# Altium PCB ZYNQ7010_AD9363.PcbDoc (part 5 of 6)
Units mil, origin at the board's own origin, x right, y up, seen from the top; angles counter-clockwise.
Board outline 2907.03 x 3814.03 mil, 4 copper layers (Top Layer, Mid-Layer 1, Mid-Layer 2, Bottom Layer); 298 components, 279 nets, 1517 pads, 915 vias.
Unrouted connection lines stored in the file: 236.
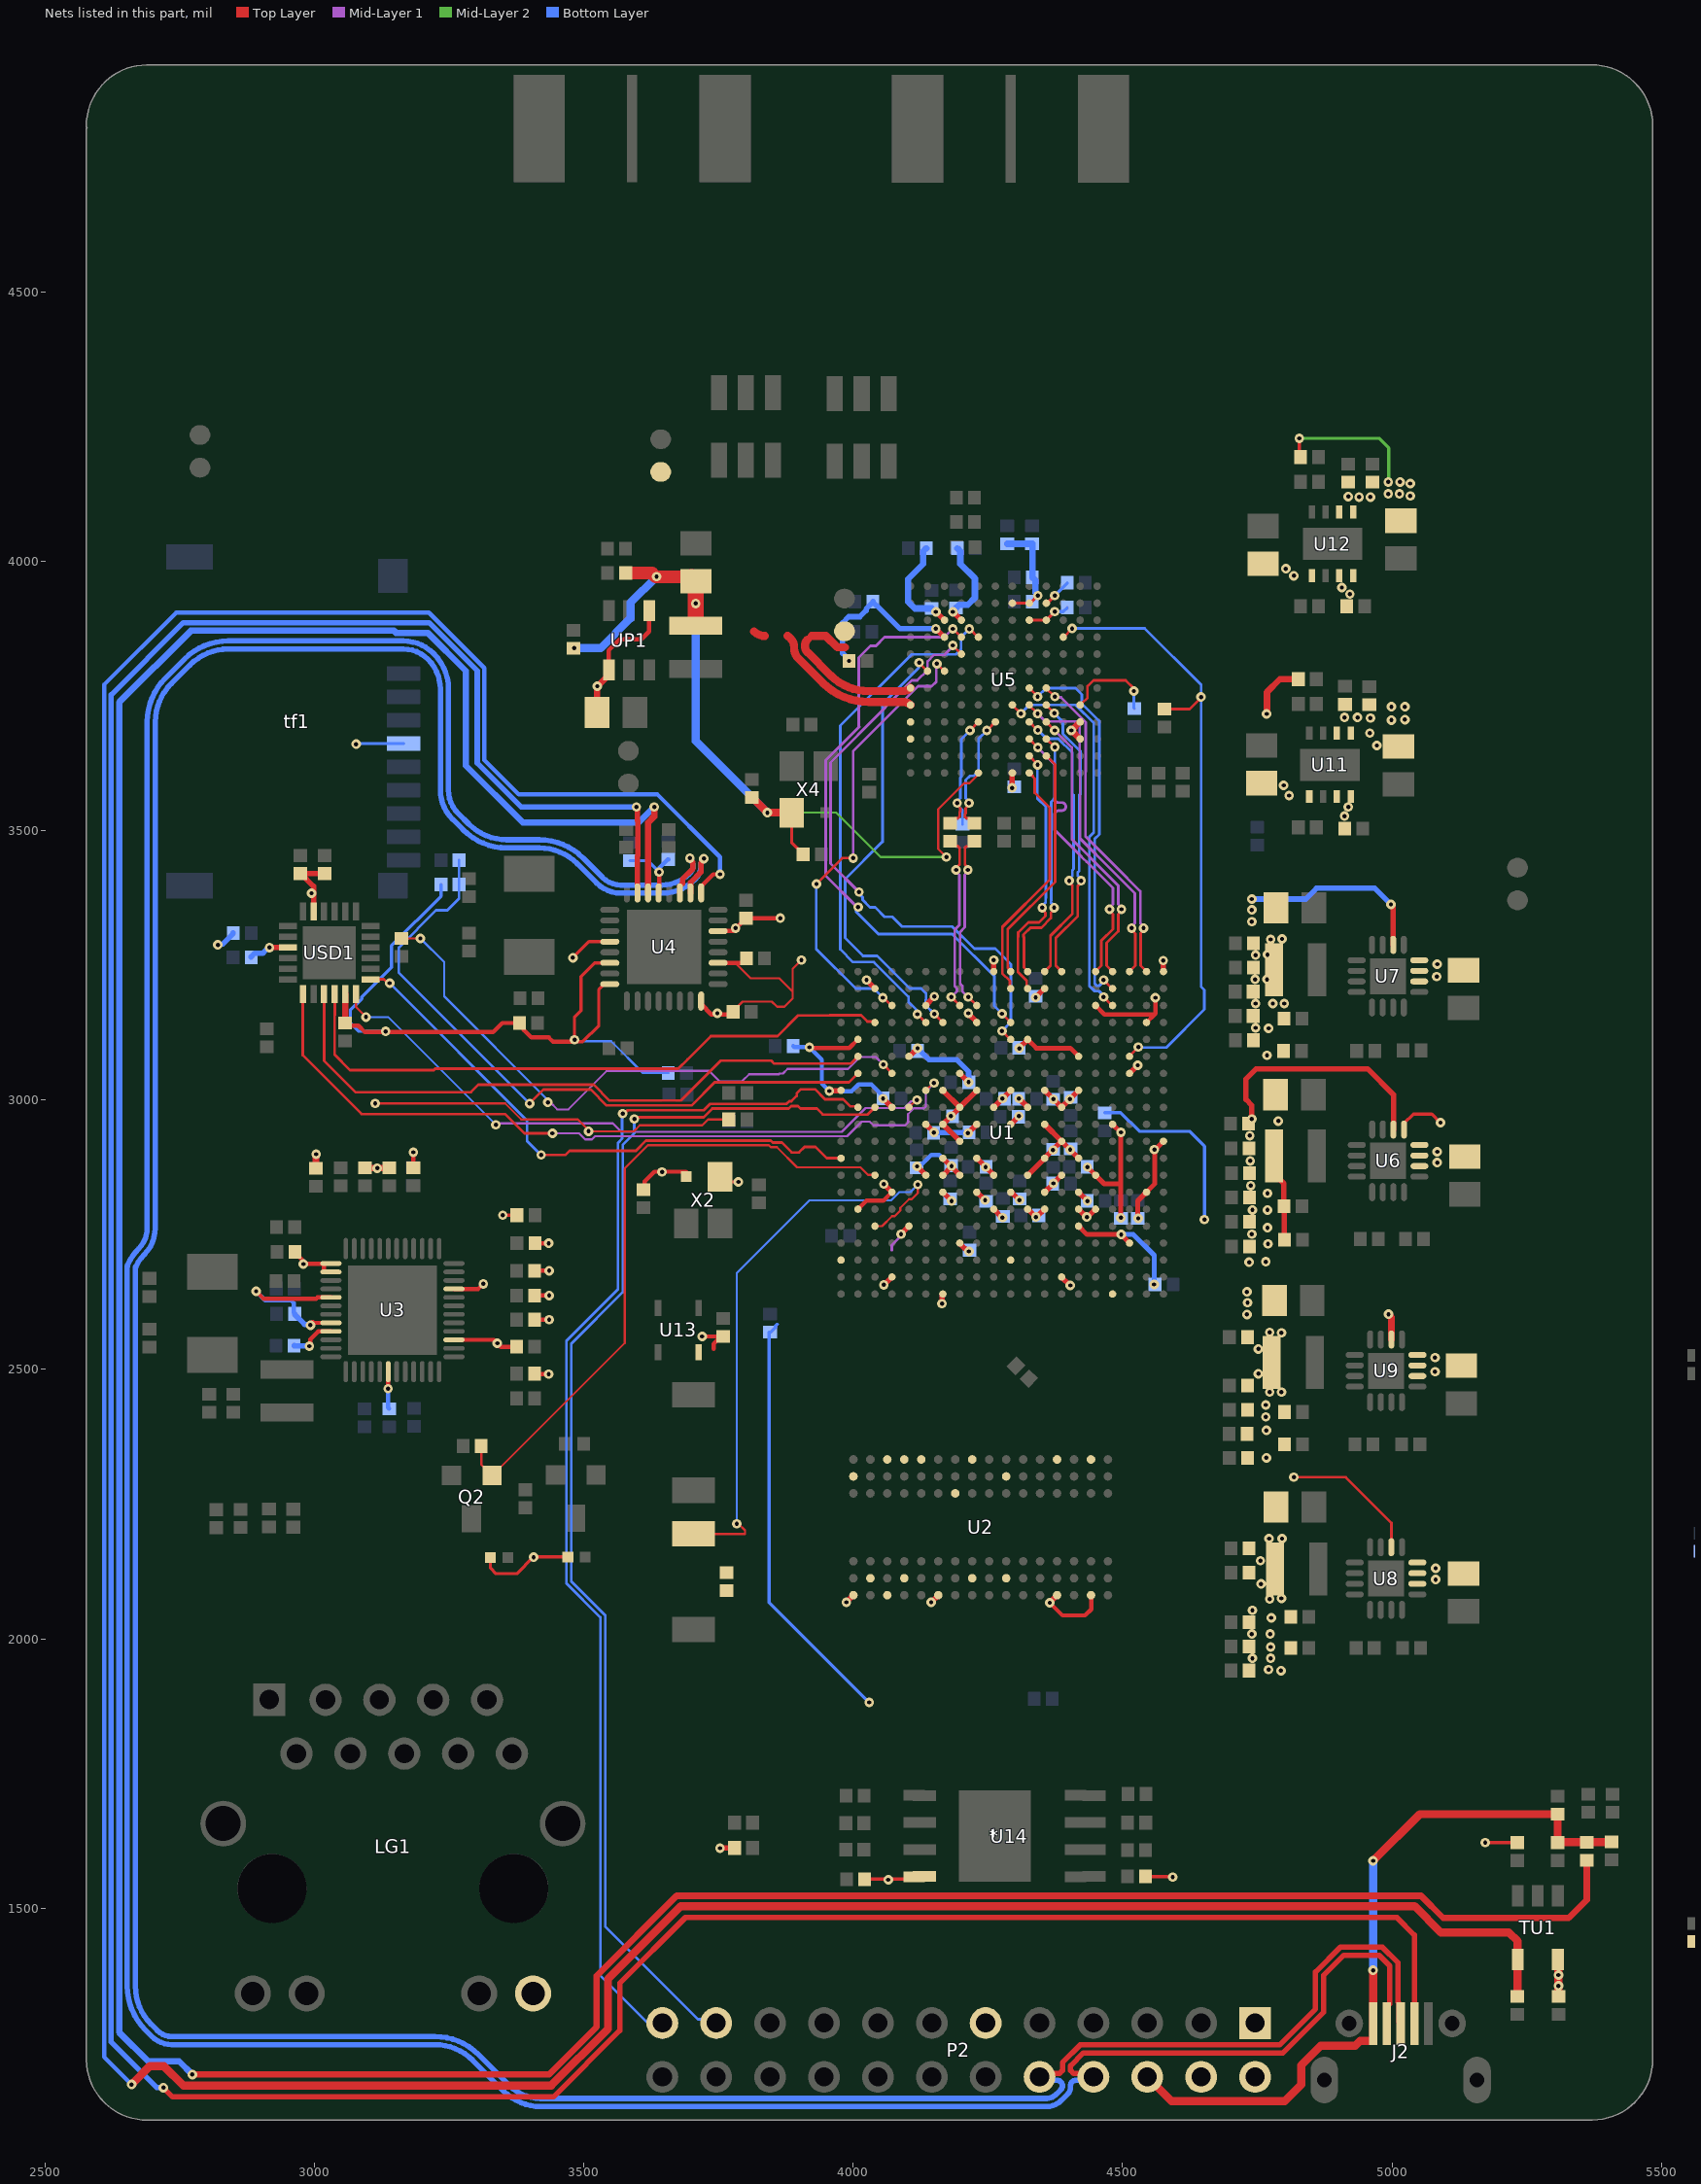
[diagram p7: the nets of this part, all layers, seen from the top]

## Via types
v1: diameter 17.72, hole 7.87, Top Layer to Bottom Layer, tented both sides, 899 vias
v2: diameter 19.68, hole 11.81, Top Layer to Bottom Layer, 16 vias

## Nets (pads, with @x,y where several pads share a name; then routed paths per layer and width w, separated by ;. In a path a pad name is that pad's centre, name@x,y a point inside that pad or via, vN(x,y) a via of type N, cw(c..) or ccw(c..) an arc to the next point about the centre after c; other vN are vias at no path point) (continued)
SD_CD: R70.2 R71.1 U1.B14 | length 1269.4
  Top Layer w5: v1@3399,2993 3425.4,3019.4 3513.32,3019.4 3542.72,2990 3700,2990 3743,3033 3992.56,3033 U1.B14@4009.01,3049.45
  Bottom Layer w5: R70.2@3268.73,3445 R71.1@3268.73,3400 3268.73,3373.73 3247,3352 3226,3352 3157,3283 3157,3236.17 3397.8,2995.37 3399.63,2995.37 v1(3399.63,2993.53)
SD_CLK: R72.2 U1.D14 | length 1150.9
  Top Layer w4: R72.2@3162,3299.73 3162.27,3300 v1(3197,3300)
  Top Layer w5: v1(4056,3066) 4072.01,3049.99 U1.D14@4072.01,3049.45
  Mid-Layer 1 w4: v1(3433.42,2995.79) 3437.74,2995.79 3450.9,2982.63 3471.63,2982.63 3515,3026 3543,3054 3732.67,3054 3751.89,3034.78 3793.47,3034.78 3794.68,3036 3794.97,3036 3806.97,3048 3862.31,3048 3863.63,3049.31 3869.69,3049.31 3878.19,3057.81 3990.81,3057.81 4013,3080 4042,3080 v1(4056,3066)
  Bottom Layer w4: v1(3197,3300) 3241,3256 3241,3192.53 3433.92,2999.6 3433.42,2999.1 v1(3433.42,2995.79)
SD_CMD: U1.C17 USD1.4 | length 1174.7
  Top Layer w5: USD1.4@3038,3196.5 3038,3157.53 3037.7,3157.24 3037.7,3084.3 3066.36,3055.64 3222.2,3055.64 3224.56,3058 3675.36,3058 3693,3075.64 3736.04,3118.68 3859.59,3118.68 3897.91,3157 3956.17,3157 3956.49,3157.32 4014.74,3157.32 4026.45,3145.61 4038.83,3145.61 U1.C17@4040.51,3143.93
SD_D0: U1.E12 USD1.6 | length 1206.3
  Top Layer w4: USD1.6@3077.3,3196.5 3077.3,3172.7 v1(3096,3154) ; U1.E12@4103.5,2986.45 v1@4117.2,3000.15
  Mid-Layer 1 w4: v1@3338,2954 3340.86,2956.86 3554.14,2956.86 3570,2941 3979,2941 4023,2985 4095,2985 4107.86,2997.86 4116.29,2997.86 v1(4118.58,3000.15)
  Bottom Layer w4: v1(3096,3154) 3137,3154 v1(3337,2954)
SD_D1: U1.A9 USD1.7 | length 1062.9
  Top Layer w5: USD1.7@3104.9,3224.1 3129.46,3224.1 3136.56,3217 v1(3140,3217) ; v1(3421,2898) 3466,2898 3474,2906 3596.98,2906 3615.48,2924.5 3847.18,2924.5 3850.68,2921 3868,2921 3886.22,2902.78 3899.78,2902.78 3910,2913 3930,2913 3951,2892 U1.A9@3977.52,2891.97
  Bottom Layer w5: v1(3140,3217) 3395,2962 3395,2924 v1(3421,2898)
SD_D2: U1.F13 USD1.1 | length 1444
  Top Layer w4: U1.F13@4135,3017.95 v1@4148.7,3031.65
  Top Layer w5: USD1.1@2978.9,3196.5 2978.9,3083.1 3088,2974 3354,2974 3390,2938 3441.64,2938 v1(3442,2938.36)
  Mid-Layer 1 w4: v1(3442,2938.36) 3491.63,2938.36 3502.85,2927.14 3515.15,2927.14 3521.01,2933 3989,2933 4016,2960 4031,2960 4038,2953 4097,2953 4102,2958 4102,2974 4112.5,2984.5 4131.5,2984.5 4135,2988 4135,3015.85 4150.08,3030.93 v1(4150.08,3031.65)
SD_D3: U1.B15 USD1.3 | length 1194.9
  Top Layer w5: USD1.3@3018.3,3196.5 3018.3,3072.7 3076.36,3014.64 3290.6,3014.64 3304.36,3028.4 3518.6,3028.4 3548,2999 3680,2999 3746,3065 3754,3073 3848,3073 3853.45,3067.55 3995.62,3067.55 U1.B15@4009.01,3080.94
SPI_CLK: U1.L16 U5.J5 | length 1109.7
  Top Layer w5: v1(4184.9,3843.72) 4201.51,3827.11 U5.J5@4201.51,3826.6 ; v1(4276.31,3128.18) U1.L16@4292.05,3112.44
  Mid-Layer 1 w5: v1(4011,3386) 3958.05,3438.95 3958.05,3626.65 4059.25,3727.84 4059.25,3728.84 4109.01,3778.61 4119.01,3778.61 4138.25,3797.84 4138.25,3814.12 4150.49,3826.36 4169.77,3826.36 4184.9,3841.48 v1(4184.9,3843.72)
  Bottom Layer w5: v1(4011,3386) 4011,3382.56 4017.5,3376.06 4017.5,3371.58 4031.58,3357.5 4040.94,3357.5 4058.44,3340 4073,3340 4091,3322 4184,3322 4225,3281 4264,3281 4292.72,3252.28 4292.72,3144.58 v1(4276.31,3128.18)
SPI_DI: U1.L17 U5.J4 | length 1147.9
  Top Layer w5: v1(4184.93,3874.47) 4185.29,3874.47 4200.51,3859.24 U5.J4@4200.51,3859.1 ; v1(4276.31,3160.18) U1.L17@4292.05,3144.44
  Mid-Layer 1 w5: v1(4009.36,3358) 4007.36,3358 3949.05,3416.31 3949.05,3630.38 4011.34,3692.66 4010.58,3693.42 4010.58,3821.28 4032.3,3843 4042.45,3843 4058.55,3859.1 4169.02,3859.1 4184.38,3874.47 v1(4184.93,3874.47)
  Bottom Layer w5: v1(4009.36,3358) 4006.43,3355.07 4006,3355.07 4006,3349 4047,3308 4184,3308 4262,3230 4262,3174.49 v1(4276.31,3160.18)
SPI_DO: U1.G17 U5.L6 | length 851
  Top Layer w5: v1(4122.51,3811.74) 4122.51,3811.11 U5.L6@4138.51,3795.1 ; v1(4150.75,3159.67) U1.G17@4166.49,3143.93
  Bottom Layer w5: 4054,3479 3985,3410 3985,3301 4018.36,3267.64 4044.71,3267.64 4105.18,3207.18 4126.25,3207.18 4135.25,3198.18 4135.25,3186 4135,3185.75 4135,3175.42 v1(4150.75,3159.67) ; 4054.58,3479 4054.58,3735.18 4121.25,3801.84 4121.25,3810.48 v1(4122.51,3811.74)
SPI_ENB: U1.D18 U5.K6 | length 850.4
  Top Layer w5: v1@3934.53,3403.53 3980,3449 v1(4000,3449) ; v1(4055.29,3189.99) 4056.37,3189.99 4071.86,3174.5 U1.D18@4072.57,3174.5 ; v1(4155.48,3809.63) 4155.74,3809.63 4170.01,3795.36 U5.K6@4170.01,3795.1
  Mid-Layer 1 w5: v1(4000,3449) 4000,3647.36 4120.74,3768.1 4145.99,3768.1 4154.26,3776.37 4154.26,3808.41 v1(4155.48,3809.63)
  Bottom Layer w5: v1(3932,3401) 3931.64,3400.64 3931.64,3280.36 4005,3207 4038.28,3207 v1(4055.29,3189.99)
TEST/ENABLE: RX5.2 U1.V15 U5.C4 | length 1162.3
  Top Layer w5: U5.C4@4390.75,3859.36 v1(4406.5,3875.1) ; U1.V15@4513.49,3082.44 v1(4529.23,3098.18) ; RX5.2@4578,3725.73 4624.73,3725.73 4645.64,3746.64 v1(4645.64,3748)
  Bottom Layer w5: v1(4406.5,3875.1) 4541.17,3875.1 4646,3770.27 4646,3748.36 v1(4645.64,3748) ; v1(4529.23,3098.18) 4529.91,3097.5 4581.5,3097.5 4652,3168 4652,3204 4646,3210 v1@4646,3748
TX1A_N: C48.1 L9.2 U5.M8 | length 309.1
  Top Layer w15: 3816,3869.68 ccw(c3836.32,3890.01) 3836.32,3861.27 ; 3878,3861.27 cw(c3878,3858.89) 3879.68,3860.57 3884.74,3855.51 cw(c3870.84,3841.61) 3890.5,3841.61 3890.5,3838.61 ccw(c3917.41,3838.61) 3898.38,3819.58 3943.97,3773.99 ccw(c4028.74,3858.77) 4028.74,3738.88 4092.65,3738.88 cw(c4092.65,3719.26) U5.M8@4106.52,3733.13
TX1A_P: C40.1 L8.2 U5.M7 | length 315.7
  Top Layer w15: 3915.45,3854.7 ccw(c3927.41,3842.75) 3910.5,3842.75 ccw(c3927.41,3842.75) 3915.45,3830.79 3958.08,3788.17 ccw(c4028.79,3858.88) 4028.79,3758.88 4092.65,3758.88 ccw(c4092.65,3778.49) U5.M7@4106.52,3764.62 ; 3923,3861.27 3949.59,3861.27 3970.67,3840.19 3985.32,3840.19
TX1B_N: C47.1 L7.2 U5.M10
TX1B_P: C32.1 L5.2 U5.M9
TX1BN_N: C47.2 C48.2 T3.6 T4.6
TX1BN_P: C32.2 C40.2 T3.4 T4.4
TX_D0_N: U1.U19 U5.E7 | length 715.3
  Top Layer w5: U5.E7@4326.99,3764.62 4326.99,3764.44 4342.5,3748.93 v1(4342.5,3748.74) ; v1(4464.82,3222.73) U1.U19@4480.56,3206.99
  Bottom Layer w5: v1(4342.5,3748.74) 4342.64,3748.88 4342.74,3748.88 4358.24,3764.38 4412.75,3764.38 4424.4,3752.72 4424.4,3735.72 4456.75,3703.38 4456.75,3492.86 4448.46,3484.57 4448.46,3215.95 4452.44,3211.98 4456.58,3211.98 4464.82,3220.22 v1(4464.82,3222.73)
TX_D0_P: U1.U18 U5.F8 | length 728
  Top Layer w5: U5.F8@4295.5,3733.13 v1@4311.24,3717.39 ; v1(4464.82,3191.23) U1.U18@4480.56,3175.49
  Bottom Layer w5: v1@4311.24,3717.39 4327.24,3733.38 4412.61,3733.38 4446.75,3699.24 4446.75,3497 4438.46,3488.72 4438.46,3211.81 4448.3,3201.98 4456.58,3201.98 4464.82,3193.74 v1(4464.82,3191.23)
  other v1: 4311.5,3717.13
TX_D1_N: U1.W20 U5.D7 | length 614.1
  Top Layer w5: U5.D7@4357.99,3764.63 4373.89,3748.74 v1(4374.5,3748.74) ; v1(4539,3319) 4536.57,3316.57 4536.57,3312.57 4533.7,3309.7 4533.7,3249.17 U1.W20@4544.45,3238.42
  Mid-Layer 1 w5: v1(4374.5,3748.74) 4376.18,3747.05 4385.95,3747.05 4431.5,3701.5 4431.5,3609.37 4431.25,3609.13 4431.25,3489.38 4486.31,3434.31 4533,3387.63 4533,3328.29 4539,3322.29 v1(4539,3319)
TX_D1_P: U1.V20 U5.E8 | length 617.9
  Top Layer w5: U5.E8@4326.5,3733.13 v1@4342.24,3717.39 ; U1.V20@4512.95,3238.42 4523.7,3249.17 4523.7,3308.86 4517,3315.56 v1(4517,3319)
  Mid-Layer 1 w5: v1(4342.5,3717.13) 4356.97,3702.66 4412.34,3702.66 4420.25,3694.75 4420.25,3609.37 4421.25,3608.37 4421.25,3485.24 4482.17,3424.31 4523,3383.49 4523,3328.29 4517,3322.29 v1(4517,3319)
TX_D2_N: U1.P20 U5.D8 | length 549.2
  Top Layer w5: U5.D8@4358.47,3733.16 4358.47,3733 4373.3,3718.17 v1(4373.3,3718.02) ; U1.P20@4386.97,3238.42 4376.22,3249.17 4376.22,3300.82 4417,3341.6 4417,3397.71 4423,3403.71 v1(4423,3407)
  Bottom Layer w5: v1(4373.3,3718.02) 4389.53,3701.79 4389.53,3679.64 4421.73,3647.44 4421.73,3568 4419.51,3565.78 4419.51,3496.07 4419.37,3495.93 4419.37,3424.72 4417,3422.36 4417,3416.29 4423,3410.29 v1(4423,3407)
TX_D2_P: U1.N20 U5.E9 | length 538
  Top Layer w5: U5.E9@4326.98,3701.66 v1@4342.72,3685.92 ; U1.N20@4355.47,3238.42 4366.22,3249.17 4366.22,3304.96 4407,3345.74 4407,3397.71 4401,3403.71 v1(4401,3407)
  Bottom Layer w5: v1@4342.72,3685.92 4343.72,3685.92 4359.09,3670.55 4380.59,3670.55 4407,3644.14 4407,3568 4409.51,3565.49 4409.51,3500.22 4409.37,3500.07 4409.37,3428.87 4407,3426.5 4407,3416.29 4401,3410.29 v1(4401,3407)
  other v1: 4342.98,3686.66
TX_D3_N: U1.U20 U5.D9 | length 536.8
  Top Layer w5: U5.D9@4358.49,3701.63 v1(4374.18,3685.91) ; U1.U20@4481.45,3238.42 4470.7,3249.16 4470.7,3291.79 4492,3313.09 4492,3344.71 4498,3350.71 v1(4498,3354)
  Mid-Layer 1 w5: v1(4374.18,3685.91) 4405.83,3654.26 4405.83,3484.3 4440.57,3449.57 4440.57,3449.22 4492.07,3397.71 4492.07,3363.29 4498,3357.36 v1(4498,3354)
TX_D3_P: U1.T20 U5.E10 | length 543.5
  Top Layer w5: U5.E10@4326.98,3670.16 v1(4342.72,3654.42) ; U1.T20@4449.96,3238.42 4460.7,3249.16 4460.7,3295.93 4482,3317.23 4482,3344.71 4476,3350.71 v1(4476,3354)
  Mid-Layer 1 w5: v1(4342.72,3654.42) 4373.84,3623.29 4373.84,3562 4373.84,3559.5 ccw(c4381.34,3559.5) 4381.34,3552 4387.28,3552 cw(c4387.28,3544.5) 4387.28,3537 4381.34,3537 ccw(c4381.34,3529.5) 4373.84,3529.5 4373.84,3501.45 4422.29,3453 4427.29,3448 4433.15,3442.15 4433.49,3442.15 4482.07,3393.57 4482.07,3363.36 4476,3357.29 v1(4476,3354)
TX_D4_N: U1.M20 U5.D10 | length 482.4
  Top Layer w5: U1.M20@4323.97,3238.42 4323.97,3238.77 4317,3245.74 4317,3302.23 4316.44,3302.79 4316.44,3306.93 4329.4,3319.89 4349.39,3319.89 4367,3337.5 4367,3347.71 4373,3353.71 v1(4373,3357) ; U5.D10@4358.49,3670.13 4358.9,3670.13 4373.98,3655.04 v1(4374.37,3655.04)
  Bottom Layer w5: v1(4373,3357) 4373,3360.44 4367.16,3366.28 4367.16,3370.43 4367.59,3370.86 4367.59,3553.4 4374.24,3560.06 4374.24,3654.39 4374.37,3654.51 v1(4374.37,3655.04)
TX_D4_P: U1.M19 U5.E11 | length 490
  Top Layer w5: U1.M19@4323.97,3206.93 4322.29,3208.61 4322.29,3220.99 4305.87,3237.41 4305.87,3302 4306.44,3302.56 4306.44,3311.08 4325.25,3329.89 4345.25,3329.89 4357,3341.64 4357,3347.71 4351,3353.71 v1(4351,3357) ; U5.E11@4326.99,3638.64 v1@4341.76,3623.88
  Bottom Layer w5: v1@4341.76,3623.88 4341.76,3560.06 4357.59,3544.22 4357.59,3375 4357.16,3374.57 4357.16,3366.44 4351,3360.29 v1(4351,3357)
  other v1: 4342.5,3622.13
TX_D5_N: U1.L20 U5.D11 | length 444.8
  Top Layer w5: U1.L20@4292.48,3238.42 4292.48,3240.12 4286.86,3245.74 4286.86,3249.88 4286.93,3249.95 4286.93,3316.93 4374.76,3404.76 4374.76,3622.87 U5.D11@4359.5,3638.13
TX_D5_P: U1.L19 U5.E12 | length 467.6
  Top Layer w5: U1.L19@4292.48,3206.93 4290.8,3208.61 4290.8,3221.16 4276.86,3235.11 4276.86,3254.02 4276.93,3254.1 4276.93,3321.07 4364.76,3408.9 4364.76,3542.24 4336.85,3570.15 4336.85,3596.51 4326.99,3606.37 U5.E12@4326.99,3607.14 ; U5.E12@4326.49,3606.68 U5.E12@4326.98,3606.19 ; U5.E12@4328,3606.64 4333.76,3600.88
TX_FRAME_N: RX11.1 U1.H18 | length 336.6
  Top Layer w5: RX11.1@4180,3480.27 4189.18,3471.09 4194.57,3471.09 4197.5,3468.16 4197.5,3436.94 4191,3430.44 v1(4191,3427) ; v1@4182.25,3191.17 U1.H18@4197.99,3175.43
  Mid-Layer 1 w5: v1(4182.14,3191.17) 4192.89,3201.92 4192.89,3207.25 4188.64,3211.5 4188.64,3316.28 4197,3324.64 4197,3417.71 4191,3423.71 v1(4191,3427)
TX_FRAME_P: RX12.1 U1.J18 | length 336.2
  Top Layer w5: v1(4213,3427) 4210.57,3429.43 4210.57,3433.68 4207.5,3436.75 4207.5,3468.03 4210.43,3470.96 4215.69,3470.96 RX12.1@4225,3480.27 ; v1(4213.64,3191.17) 4213.75,3191.17 U1.J18@4229.49,3175.43
  Mid-Layer 1 w5: v1(4213,3427) 4213,3423.71 4207,3417.71 4207,3320.5 4198.64,3312.14 4198.64,3215.64 4202.89,3211.39 4202.89,3201.92 v1(4213.64,3191.17)
TXF_N: RX10.2 RX11.2 U5.H9 | length 261.4
  Top Layer w5: RX11.2@4180,3513.73 4189.18,3522.91 4194.57,3522.91 4197.5,3525.84 4197.5,3534.14 4199,3535.64 4199,3541.71 4193,3547.71 v1(4193,3551) ; v1(4216.76,3685.88) U5.H9@4232.51,3701.63
  Bottom Layer w5: RX10.2@4203,3511.73 4203,3537.87 4193,3547.87 v1(4193,3551) 4193,3554.29 4199,3560.29 4199,3597.86 4201,3599.86 4201,3638.64 4200.75,3638.9 4200.75,3669.87 v1(4216.76,3685.88)
TXF_P: RX12.2 U5.G9 | length 230.8
  Top Layer w5: v1(4215,3551) 4215,3547.71 4209,3541.71 4209,3531.5 4207.5,3530 4207.5,3525.84 4210.43,3522.91 4215.82,3522.91 RX12.2@4225,3513.73 ; v1(4248.25,3685.88) U5.G9@4264,3701.63
  Bottom Layer w5: v1(4215,3551) 4215,3554.29 4209,3560.29 4209,3593.72 4216.82,3601.54 4223.92,3601.54 4232.75,3610.37 4232.75,3670.38 v1(4248.25,3685.88)
TXNRX: U1.F17 U5.H4 | length 989.6
  Top Layer w5: v1(4119.31,3159.18) U1.F17@4135.05,3143.44 ; v1(4215.65,3874.24) 4216.51,3874.24 4231.65,3859.1 U5.H4@4232.01,3859.1
  Bottom Layer w5: v1(4119.31,3159.18) 4116.88,3161.61 4116.88,3168.12 4102.99,3182.01 4102.99,3191.93 4102.8,3191.93 4038.73,3256 3999.73,3256 3976,3279.73 3976,3694.6 4108.51,3827.1 4190.58,3827.1 4200.25,3836.78 4200.25,3858.84 v1(4215.65,3874.24)
UART_RX: P2.11 U1.C12 | length 2339.8
  Top Layer w5: v1(3594,2965) 3597,2968 3722.73,2968 3738.73,2984 3880.28,2984 3885,2988.72 3897.72,2988.72 3902.44,2984 3933.05,2984 3943.99,2973.06 4027.12,2973.06 U1.C12@4040.51,2986.45
  Bottom Layer w5: v1(3594,2965) 3594,2938 3572.5,2916.5 3572.5,2643.5 3477,2548 3477,2107 3540,2044 3540,1466 3711.9,1294.1 3721.03,1294.1 3732.5,1282.63 3732.5,1273.5 3734.53,1273.5 3746,1262.03 P2.11@3746,1260
UART_TX: P2.12 U1.B12 | length 2303.7
  Top Layer w5: v1(3572.36,2974.64) 3575.25,2974.64 3581.61,2981 3723,2981 3735,2993 3876.56,2993 3881.27,2997.72 3885.44,2997.72 3895.36,3007.64 3895.36,3012.36 3903,3020 3929,3020 3947.72,3001.28 3981.8,3001.28 3994.95,2988.13 4007.33,2988.13 U1.B12@4009.01,2986.45
  Bottom Layer w5: v1(3572.36,2974.64) 3571.36,2973.64 3571.36,2928.09 3563.5,2920.23 3563.5,2648.5 3468,2553 3468,2103.27 3531,2040.27 3531,1375 P2.12@3646,1260
USB2_5V: C137.1 J2.1 P2.15 R64.2 R66.1 R67.1 | length 1369.3
  Top Layer w15: P2.15@4546,1187 4591,1142 4801,1142 4831.5,1172.5 4831.5,1208.5 4868,1245 4931.86,1245 4940.99,1254.13 4964.62,1254.13 4965,1254.51 J2.1@4965,1286 v1(4965,1385) ; v1(4965,1588) 5051.77,1674.77 R64.2@5307.5,1674.77 5307.5,1623.23 5308.13,1622.6 5406.87,1622.6 C137.1@5407.5,1623.23
  Bottom Layer w15: v1(4965,1385) v1(4965,1588)
USB_ID: J2.4 U4.23 | length 6761.8
  Top Layer w10: v1(2720,1167) 2737,1150 3444,1150 3567,1273 3567,1361 3689,1483 5009,1483 5041.77,1450.23 J2.4@5041.77,1286 ; v1(3598,3544) 3599.48,3542.52 3599.48,3537.07 3599.79,3536.76 3599.79,3519.01 3600.8,3518 3600.8,3453.46 3599.79,3452.45 U4.23@3599.79,3384.39
  Bottom Layer w10: v1(2720,1167) 2708,1167 2623,1252 2623,3752 2757,3886 3213,3886 3302.5,3796.5 3302.5,3625.5 3384,3544 v1(3598,3544)
USB_OTG_N: J2.2 P2.16 U4.19 | length 6687.2
  Top Layer w10: U4.19@3678.53,3384.39 3678.53,3396.88 3683.41,3401.76 3683.41,3410.15 3702.5,3429.24 3702.5,3441.41 3697,3446.91 v1(3697,3449) ; P2.16@4446,1187 4439.67,1193.33 4409.36,1193.33 4403.5,1199.19 4403.5,1207.47 4427.56,1231.53 4797.53,1231.53 4873,1307 4873,1375.43 4910.57,1413 4976,1413 4995.89,1393.11 4995.89,1322.8 4990.59,1317.5 J2.2@4990.59,1286
  Bottom Layer w10: v1(3697,3449) ccw(c3702.04,3449) 3698.48,3445.44 cw(c3688.76,3435.72) 3702.5,3435.72 3702.5,3434.76 ; 3702.5,3434.72 cw(c3682.3,3434.67) 3696.57,3420.37 cw(c3644.96,3472.01) 3645.08,3399 3569.05,3399 cw(c3569.15,3447.65) 3534.93,3413.07 3534.88,3413.12 cw(c3605.42,3484) 3534.71,3413.29 3498.64,3449.36 ccw(c3417.43,3368.16) 3417.43,3483 3357.42,3483 cw(c3357.42,3583) 3286.71,3512.29 3267,3532 cw(c3310.46,3575.46) 3249,3575.46 3249,3762.53 ccw(c3155.61,3762.53) 3221.65,3828.57 3221.55,3828.67 ccw(c3165.22,3772.34) 3165.22,3852 2840.32,3852 ccw(c2840.32,3737.24) 2759.17,3818.39 2723.61,3782.83 ccw(c2804.76,3701.68) 2690,3701.68 2690,2762.63 cw(c2635.37,2762.63) 2674,2724 2673.91,2723.91 ccw(c2741.29,2656.53) 2653.82,2694.34 ccw(c2663,2690.37) 2653,2690.37 2653,2652 2653,1355.37 ccw(c2767.87,1355.37) 2686.64,1274.14 2698.47,1262.31 ccw(c2735.44,1299.28) 2735.44,1247 3223.58,1247 cw(c3223.58,1147) 3294.29,1217.71 3351.36,1160.64 ccw(c3420.51,1229.8) 3420.46,1132 4358.75,1132 ccw(c4358.75,1171.67) 4386.8,1143.62 4398.37,1155.19 ccw(c4386,1167.56) 4403.5,1167.56 4403.5,1170.67 cw(c4413.5,1170.67) 4406.43,1177.74 cw(c4413.5,1170.67) 4413.5,1180.67 4430.72,1180.67 ccw(c4430.72,1202.28) P2.16@4446,1187
USB_OTG_P: J2.3 P2.17 U4.18 | length 6685.4
  Top Layer w10: U4.18@3698.21,3384.39 3698.41,3384.59 3698.41,3403.94 3717.5,3423.03 3717.5,3440.41 3723,3445.91 v1(3723,3448) ; P2.17@4346,1187 4352.33,1193.33 4382.64,1193.33 4388.5,1199.19 4388.5,1213.68 4421.34,1246.53 4791.31,1246.53 4858,1313.21 4858,1381.64 4904.36,1428 4982.21,1428 5010.89,1399.33 5010.89,1326.23 5013.3,1323.81 5013.3,1288.88 J2.3@5016.18,1286
  Bottom Layer w10: 3644.91,3384 3569.15,3384 cw(c3569.15,3447.65) 3524.14,3402.64 3488.08,3438.71 ccw(c3417.37,3368) 3417.37,3468 3357.37,3468 cw(c3357.37,3582.87) 3276.14,3501.64 3256.34,3521.45 cw(c3310.27,3575.38) 3234,3575.38 3234,3762.47 ccw(c3155.47,3762.47) 3211,3818 ccw(c3165.13,3772.13) 3165.13,3837 2840.42,3837 ccw(c2840.42,3737) 2769.71,3807.71 2734.29,3772.29 ccw(c2805,3701.58) 2705,3701.58 2705,2762.51 cw(c2635.66,2762.51) 2684.69,2713.48 2684.61,2713.39 ccw(c2741.6,2656.4) 2669,2691.4 ccw(c2678,2687.05) 2668,2687.05 2668,2652 2668,2253 2668,1355.42 ccw(c2768,1355.42) 2697.29,1284.71 2709,1273 ccw(c2735.56,1299.56) 2735.56,1262 3223.64,1262 cw(c3223.64,1147.16) 3304.85,1228.36 3361.92,1171.29 ccw(c3432.63,1242) 3362.51,1170.7 3362.55,1170.67 ccw(c3420.51,1229.8) 3420.38,1147 4358.82,1147 ccw(c4358.75,1171.67) 4376.13,1154.16 ; 3644.96,3384 ccw(c3644.96,3472.01) 3707.19,3409.78 3707.24,3409.83 ccw(c3682.3,3434.67) 3717.5,3434.61 3717.5,3434.78 cw(c3731.24,3434.72) 3721.52,3444.44 ccw(c3717.96,3448) v1(3723,3448) ; P2.17@4346,1187 ccw(c4361.28,1202.28) 4361.28,1180.67 4378.5,1180.67 cw(c4378.5,1170.67) 4385.57,1177.74 cw(c4378.5,1170.67) 4388.5,1170.67 cw(c4378.5,1170.67) 4385.57,1163.6 4376.28,1154.31 4376.15,1154.18
USB_VBUS: R66.2 U4.22 | length 6996
  Top Layer w12: v1(2773.79,1191.36) 3435.61,1191.36 3524,1279.75 3524,1374.57 3672.43,1523 5054,1523 5095,1482 5328,1482 5361.5,1515.5 R66.2@5361.5,1588.77 ; U4.22@3619.47,3384.39 3619.47,3514.47 3631,3526 v1(3631,3544)
  Bottom Layer w12: v1(2773.79,1191.36) 2749.15,1216 2692,1216 2638,1270 2638,3738 2771,3871 3148,3871 3152,3867 3210.79,3867 3281.39,3796.39 3281.39,3620.61 3387,3515 3602,3515 v1(3631,3544)
USR_BTN: R19.2 U1.C5 USR_BTN.2 | length 1110.9
  Top Layer w4: USR_BTN.2@3703.95,2194.79 3799.44,2194.79 3799.44,2201.27 3787.02,2213.7 v1(3784.14,2213.7) ; U1.C5@4040.51,2765.98 4053.78,2765.98 4072.39,2784.59 4077.35,2784.59 4087.76,2795 4087.76,2799.96 4103.87,2816.08 4108.84,2816.08 4120,2827.24 v1@4120,2839
  Bottom Layer w4: v1(3784.14,2213.7) 3784.14,2678.71 3919.43,2814 4071,2814 4086,2829 4106,2829 v1(4120,2843)
USR_LED: Q2.1 R65.1 U1.C8 | length 1240.5
  Top Layer w4: R65.1@3310,2358 3310,2323 Q2.1@3330,2303 3576.2,2549.2 3576.2,2873.2 3619,2916 3843.66,2916 3847.16,2912.5 3858.5,2912.5 3896,2875 4013.67,2875 4027.62,2861.05 4039.93,2861.05 U1.C8@4040.51,2860.47
VCC1P8: C143.2 C144.2 CP2.1 CP3.2 LP1.2 RP2.1 U5.H12 X4.4 | length 1616.7
  Top Layer w4: v1(4173,3451) 4158,3466 4158,3539.98 4206.02,3588 4216,3588 4232.51,3604.51 U5.H12@4232.51,3607.14
  Top Layer w6: X4.4@3886,3533.38 3886,3478.25 3907.27,3456.98 C143.2@3907.27,3456 ; U5.H12@4231.14,3607.14 U5.H12@4232.51,3607.14
  Top Layer w15: C144.2@3812,3561.27 3812.98,3561.27 3830.26,3543.99 v1(3840.86,3533.38) X4.4@3886,3533.38
  Top Layer w24: RP2.1@3587,3978 3626.86,3978 3634.06,3970.8 CP3.2@3700.17,3970.8
  Top Layer w30: CP3.2@3700.17,3970.8 CP3.2@3708,3962.96 v1(3708,3921.52) LP1.2@3708,3880.08
  Mid-Layer 2 w4: v1(3840.86,3533.38) 3968.62,3533.38 4051,3451 v1(4173,3451)
  Bottom Layer w15: v1(3482.15,3838.71) 3531.71,3838.71 3587,3894 3587,3923.02 v1(3635.21,3971.24) ; v1(3708,3921.52) 3708,3666.24 v1(3840.86,3533.38)
VCC_1V0: C2.2 C33.2 C34.2 C35.2 C36.2 C37.2 C39.2 C49.2 C50.2 C51.2 C52.2 C53.2 C54.2 C55.2 C56.2 C57.2 C67.2 L1.2 R7.1 R9.1 U1.G7 U1.G11 U1.G13 U1.H10 U1.H12 U1.J7 U1.J13 U1.K12 U1.L7 U1.L13 U1.M12 U1.N7 U1.N13 U1.P8 U1.P12 U1.R7 U1.R13 U6.14 | length 1077.4